# KiCad board cyberdeck-alpha.kicad_pcb (continued)
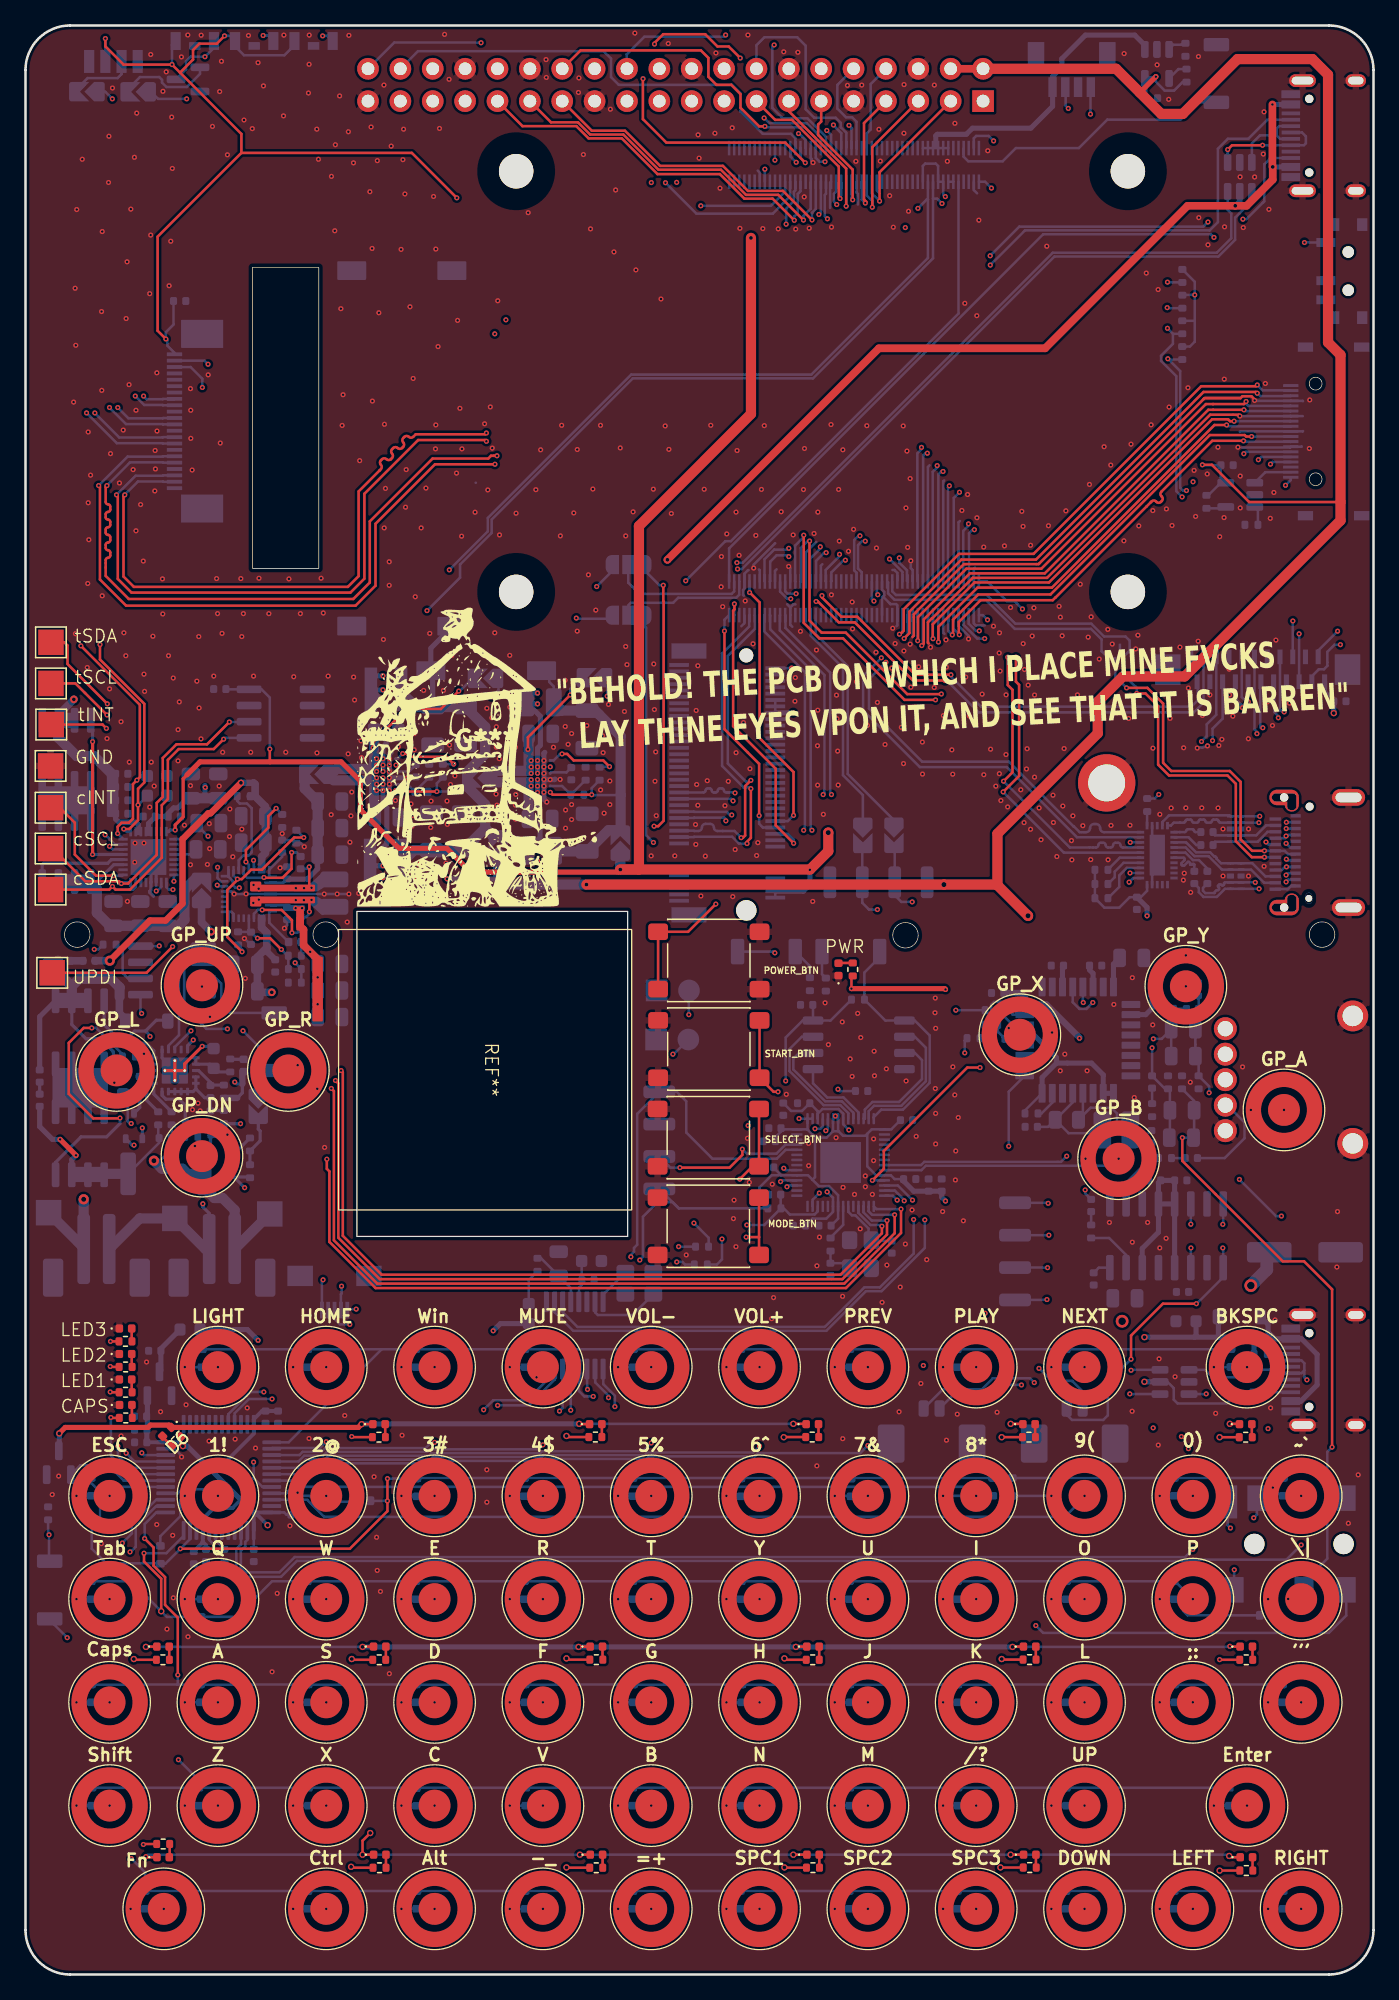
[diagram p0: board, top side]
## Footprints (pads in the part's own frame, mm; a bottom-side part is the same pattern mirrored in y, then rotated) (continued)
BGA24N50P4X6_310X210X62N
  round 0.245 smd: A1(-0.75,1.25) A2(-0.25,1.25) A3(0.25,1.25) A4(0.75,1.25) B1(-0.75,0.75) B2(-0.25,0.75) B3(0.25,0.75) B4(0.75,0.75) C1(-0.75,0.25) C2(-0.25,0.25) C3(0.25,0.25) C4(0.75,0.25) D1(-0.75,-0.25) D2(-0.25,-0.25) D3(0.25,-0.25) D4(0.75,-0.25) E1(-0.75,-0.75) E2(-0.25,-0.75) E3(0.25,-0.75) E4(0.75,-0.75) F1(-0.75,-1.25) F2(-0.25,-1.25) F3(0.25,-1.25) F4(0.75,-1.25)
BQ25792RQMR
  custom 0.96x0.71 smd: 1(-1.9,1.6) 24(1.863,1.6)
  rrect 0.6x0.2 smd: 2(-1.9,1.2) 3(-1.9,0.8) 4(-1.9,0.4) 5(-1.9,0) 6(-1.9,-0.4) 7(-1.9,-0.8) 8(-1.9,-1.2) 20(1.9,0) 21(1.9,0.4) 22(1.9,0.8) 23(1.9,1.2)
  custom 0.91x0.71 smd: 9(-1.4,-1.85) 16(1.85,-1.6)
  rrect 0.2x0.6 smd: 10(-1,-1.9) 11(-0.6,-1.9) 12(-0.2,-1.9) 13(0.2,-1.9) 14(0.6,-1.9) 15(1,-1.9)
  rrect 0.7x0.2 smd: 17(1.85,-1.2)
  rrect 0.65x0.2 smd: 18(1.875,-0.8)
  rrect 0.68x0.2 smd: 19(1.863,-0.4)
  rrect 0.2x1 smd: 25(0.9,1.7) 26(0.45,1.7) 27(0,1.7) 28(-0.45,1.7)
  rrect 0.2x0.95 smd: 29(-0.9,1.725)
BTN_SMD_4x3mm
  rrect 1.05x2 smd: 1(2.225,0) 2(-2.3,0)
C_0402_1005Metric
  rrect 0.56x0.62 smd: 1(-0.48,0) 2(0.48,0)
C_0603_1608Metric
  rrect 0.9x0.95 smd: 1(-0.775,0) 2(0.775,0)
C_0805_2012Metric
  rrect 1x1.45 smd: 1(-0.95,0) 2(0.95,0)
C_1206_3216Metric
  rrect 1.15x1.8 smd: 1(-1.475,0) 2(1.475,0)
CM5-Mounting-Hole
  round 2.7 hole 2.7 unplated: (0,0) (0,48) (33,0) (33,48)
CONN4_BM04B-SRSS_JST
  rect 0.66x1.549 smd: 1(-1.5,-1.882) 2(-0.5,-1.882) 3(0.5,-1.882) 4(1.5,-1.882)
  rect 1.295x1.905 smd: 2(-2.8,0.698) 2(2.8,0.698)
CP_Elec_6.3x5.4
  rrect 3.5x1.6 smd: 1(-2.8,0) 2(2.8,0)
Crystal_SMD_3225-4Pin_3.2x2.5mm
  rrect 1.4x1.2 smd: 1(-1.1,-0.85) 2(1.1,-0.85) 3(1.1,0.85) 4(-1.1,0.85)
D_0402_1005Metric
  rrect 0.59x0.64 smd: 1(-0.485,0) 2(0.485,0)
D_SOD-123
  rrect 0.9x1.2 smd: 1(-1.65,0) 2(1.65,0)
D_SOD-323
  rrect 0.6x0.45 smd: 1(-1.05,0) 2(1.05,0)
D_SOD-523
  rrect 0.6x0.7 smd: 1(-0.7,0) 2(0.7,0)
dome-tactile-pad
  round 2.5 smd: 1(0,0)
  custom 6x6 smd: 2(-2.6,0)
DX07S024JJ2R1300
  round 0.65 hole 0.65 unplated: (-4.32,2) (4.32,2)
  round 0.63 hole 0.63 unplated: (-3.6,0)
  round 0.53 hole 0.53 unplated: (3.6,0.065)
  rect 0.27x0.9 smd: A1(-2.625,2.7) A2(-2.125,2.7) A3(-1.625,2.7) A4(-1.125,2.7) A5(-0.625,2.7) A6(-0.125,2.7) A7(0.375,2.7) A8(0.875,2.7) A9(1.375,2.7) A10(1.875,2.7) A11(2.375,2.7) A12(2.875,2.7)
  rect 0.27x0.8 smd: B1(2.625,1.1) B2(2.125,1.1) B3(1.625,1.1) B4(1.125,1.1) B5(0.625,1.1) B6(0.125,1.1) B7(-0.375,1.1) B8(-0.875,1.1) B9(-1.375,1.1) B10(-1.875,1.1) B11(-2.375,1.1) B12(-2.875,1.1)
  oval 1.3x2.6 hole 0.75x2.05: S1(-4.32,-3.05) S2(4.32,-3.05)
  custom 1.71x2.31 smd: S3(-4.35,3.05) S4(4.3,3.05)
FPC-SMD_22P-P1.00_AFC11-S22ICC-00 - REVERSED
  rect 0.4x1.15 smd: 1(5.25,0.975) 2(4.75,-0.975) 3(4.25,0.975) 4(3.75,-0.975) 5(3.25,0.975) 6(2.75,-0.975) 7(2.25,0.975) 8(1.75,-0.975) 9(1.25,0.975) 10(0.75,-0.975) 11(0.25,0.975) 12(-0.25,-0.975) 13(-0.75,0.975) 14(-1.25,-0.975) 15(-1.75,0.975) 16(-2.25,-0.975) 17(-2.75,0.975) 18(-3.25,-0.975) 19(-3.75,0.975) 20(-4.25,-0.975) 21(-4.75,0.975) 22(-5.25,-0.975)
  rect 2x2.4 smd: MP(-7.05,0.029) MP(7.05,0.021)
Fuse_0603_1608Metric
  rrect 0.875x0.95 smd: 1(-0.787,0) 2(0.787,0)
HD3SS3220
  rrect 0.58x0.22 smd: 1(-1.315,1.8) 2(-1.315,1.4) 3(-1.315,1) 4(-1.315,0.6) 5(-1.315,0.2) 6(-1.315,-0.2) 7(-1.315,-0.6) 8(-1.315,-1) 9(-1.315,-1.4) 10(-1.315,-1.8) 16(1.315,-1.8) 17(1.315,-1.4) 18(1.315,-1) 19(1.315,-0.6) 20(1.315,-0.2) 21(1.315,0.2) 22(1.315,0.6) 23(1.315,1) 24(1.315,1.4) 25(1.315,1.8)
  rrect 0.22x0.58 smd: 11(-0.8,-2.315) 12(-0.4,-2.315) 13(0,-2.315) 14(0.4,-2.315) 15(0.8,-2.315) 26(0.8,2.315) 27(0.4,2.315) 28(0,2.315) 29(-0.4,2.315) 30(-0.8,2.315)
  rect 1.2x3.2 smd: 31(0,0)
HDMI-519S
  rect 0.23x1.2 smd: 1(-3.6,0) 2(-3.2,0) 3(-2.8,0) 4(-2.4,0) 5(-2,0) 6(-1.6,0) 7(-1.2,0) 8(-0.8,0) 9(-0.4,0) 10(0,0) 11(0.4,0) 12(0.8,0) 13(1.2,0) 14(1.6,0) 15(2,0) 16(2.4,0) 17(2.8,0) 18(3.2,0) 19(3.6,0)
  rect 0.73x1.2 smd: MP(-6.61,-5.56) MP(-6.61,-1.15) MP(6.61,-5.56) MP(6.61,-1.15)
IC_BQ76905RGRR
  rrect 0.6x0.24 smd: 1(-1.65,1) 2(-1.65,0.5) 3(-1.65,0) 4(-1.65,-0.5) 5(-1.65,-1) 11(1.65,-1) 12(1.65,-0.5) 13(1.65,0) 14(1.65,0.5) 15(1.65,1)
  rrect 0.24x0.6 smd: 6(-1,-1.65) 7(-0.5,-1.65) 8(0,-1.65) 9(0.5,-1.65) 10(1,-1.65) 16(1,1.65) 17(0.5,1.65) 18(0,1.65) 19(-0.5,1.65) 20(-1,1.65)
  round 0.3 hole 0.2: 21(-0.775,0) 21(0,-0.775) 21(0,0) 21(0,0.775) 21(0.775,0)
  rrect 2.05x2.05 smd: 21(0,0)
IND_XFL4020-102MEC
  rect 0.98x3.4 smd: 1(-1.185,0) 2(1.185,0)
JST_PH_B2B-PH-SM4-TB_1x02-1MP_P2.00mm_Vertical
  rrect 1x5.5 smd: 1(-1,-0.5) 2(1,-0.5)
  rrect 1.6x3 smd: MP(-3.4,1.75) MP(3.4,1.75)
L_1008_2520Metric
  rrect 1.25x2.2 smd: 1(-1.075,0) 2(1.075,0)
LED-SMD_3P-L3.0-W1.0-R-RD
  rect 0.8x1.4 smd: 1(1.5,0.189) 2(-1.5,0.192)
  rect 0.9x0.6 smd: 3(0,-0.192)
LED_0402_1005Metric
  rrect 0.59x0.64 smd: 1(-0.485,0) 2(0.485,0)
LQFP-48_7x7mm_P0.5mm
  rrect 1.475x0.3 smd: 1(-4.162,2.75) 2(-4.162,2.25) 3(-4.162,1.75) 4(-4.162,1.25) 5(-4.162,0.75) 6(-4.162,0.25) 7(-4.162,-0.25) 8(-4.162,-0.75) 9(-4.162,-1.25) 10(-4.162,-1.75) 11(-4.162,-2.25) 12(-4.162,-2.75) 25(4.162,-2.75) 26(4.162,-2.25) 27(4.162,-1.75) 28(4.162,-1.25) 29(4.162,-0.75) 30(4.162,-0.25) 31(4.162,0.25) 32(4.162,0.75) 33(4.162,1.25) 34(4.162,1.75) 35(4.162,2.25) 36(4.162,2.75)
  rrect 0.3x1.475 smd: 13(-2.75,-4.162) 14(-2.25,-4.162) 15(-1.75,-4.162) 16(-1.25,-4.162) 17(-0.75,-4.162) 18(-0.25,-4.162) 19(0.25,-4.162) 20(0.75,-4.162) 21(1.25,-4.162) 22(1.75,-4.162) 23(2.25,-4.162) 24(2.75,-4.162) 37(2.75,4.162) 38(2.25,4.162) 39(1.75,4.162) 40(1.25,4.162) 41(0.75,4.162) 42(0.25,4.162) 43(-0.25,4.162) 44(-0.75,4.162) 45(-1.25,4.162) 46(-1.75,4.162) 47(-2.25,4.162) 48(-2.75,4.162)
M.2 M2 nut standoff
  round 4.5 hole 2.9: 1(0,0)
Molex_PicoBlade_53398-0271_1x02-1MP_P1.25mm_Vertical
  rrect 0.8x1.3 smd: 1(-0.625,1.25) 2(0.625,1.25)
  rrect 2.1x3 smd: MP(-3.175,-1.5) MP(3.175,-1.5)
NetTie-2_SMD_Pad0.5mm
  round 0.5 smd: 1(-0.5,0) 2(0.5,0)
PinHeader_2x20_P2.54mm_Horizontal
  rect 1.7x1.7 hole 1: 1(0,0)
  round 1.7 hole 1: 2(2.54,0) 3(0,-2.54) 4(2.54,-2.54) 5(0,-5.08) 6(2.54,-5.08) 7(0,-7.62) 8(2.54,-7.62) 9(0,-10.16) 10(2.54,-10.16) 11(0,-12.7) 12(2.54,-12.7) 13(0,-15.24) 14(2.54,-15.24) 15(0,-17.78) 16(2.54,-17.78) 17(0,-20.32) 18(2.54,-20.32) 19(0,-22.86) 20(2.54,-22.86) 21(0,-25.4) 22(2.54,-25.4) 23(0,-27.94) 24(2.54,-27.94) 25(0,-30.48) 26(2.54,-30.48) 27(0,-33.02) 28(2.54,-33.02) 29(0,-35.56) 30(2.54,-35.56) 31(0,-38.1) 32(2.54,-38.1) 33(0,-40.64) 34(2.54,-40.64) 35(0,-43.18) 36(2.54,-43.18) 37(0,-45.72) 38(2.54,-45.72) 39(0,-48.26) 40(2.54,-48.26)
PJ-342B
  round 1.6 hole 1.6 unplated: (-4.445,0) (2.555,0)
  rect 1.5x2 smd: 2(-4.645,3.6) 3(2.355,3.6) 5(4.145,-3.6) 6(-1.355,-3.6) 7(-4.655,-3.6)
  rect 1.5x2.6 smd: 4(4.655,3.3)
QFN-56-1EP_7x7mm_P0.4mm_EP3.2x3.2mm
  rrect 1.29x1.29 smd: (-0.8,-0.8) (-0.8,0.8) (0.8,-0.8) (0.8,0.8)
  rrect 0.875x0.2 smd: 1(-3.438,2.6) 2(-3.438,2.2) 3(-3.438,1.8) 4(-3.438,1.4) 5(-3.438,1) 6(-3.438,0.6) 7(-3.438,0.2) 8(-3.438,-0.2) 9(-3.438,-0.6) 10(-3.438,-1) 11(-3.438,-1.4) 12(-3.438,-1.8) 13(-3.438,-2.2) 14(-3.438,-2.6) 29(3.438,-2.6) 30(3.438,-2.2) 31(3.438,-1.8) 32(3.438,-1.4) 33(3.438,-1) 34(3.438,-0.6) 35(3.438,-0.2) 36(3.438,0.2) 37(3.438,0.6) 38(3.438,1) 39(3.438,1.4) 40(3.438,1.8) 41(3.438,2.2) 42(3.438,2.6)
  rrect 0.2x0.875 smd: 15(-2.6,-3.438) 16(-2.2,-3.438) 17(-1.8,-3.438) 18(-1.4,-3.438) 19(-1,-3.438) 20(-0.6,-3.438) 21(-0.2,-3.438) 22(0.2,-3.438) 23(0.6,-3.438) 24(1,-3.438) 25(1.4,-3.438) 26(1.8,-3.438) 27(2.2,-3.438) 28(2.6,-3.438) 43(2.6,3.438) 44(2.2,3.438) 45(1.8,3.438) 46(1.4,3.438) 47(1,3.438) 48(0.6,3.438) 49(0.2,3.438) 50(-0.2,3.438) 51(-0.6,3.438) 52(-1,3.438) 53(-1.4,3.438) 54(-1.8,3.438) 55(-2.2,3.438) 56(-2.6,3.438)
  rect 3.2x3.2 smd: 57(0,0)
QFP80P900X900X120-32N
  rrect 1.47x0.55 smd: 1(-4.17,2.8) 2(-4.17,2) 3(-4.17,1.2) 4(-4.17,0.4) 5(-4.17,-0.4) 6(-4.17,-1.2) 7(-4.17,-2) 8(-4.17,-2.8) 17(4.17,-2.8) 18(4.17,-2) 19(4.17,-1.2) 20(4.17,-0.4) 21(4.17,0.4) 22(4.17,1.2) 23(4.17,2) 24(4.17,2.8)
  rrect 0.55x1.47 smd: 9(-2.8,-4.17) 10(-2,-4.17) 11(-1.2,-4.17) 12(-0.4,-4.17) 13(0.4,-4.17) 14(1.2,-4.17) 15(2,-4.17) 16(2.8,-4.17) 25(2.8,4.17) 26(2,4.17) 27(1.2,4.17) 28(0.4,4.17) 29(-0.4,4.17) 30(-1.2,4.17) 31(-2,4.17) 32(-2.8,4.17)
QSOP-16_3.9x4.9mm_P0.635mm
  rrect 1.625x0.4 smd: 1(-2.638,2.223) 2(-2.638,1.587) 3(-2.638,0.953) 4(-2.638,0.318) 5(-2.638,-0.318) 6(-2.638,-0.953) 7(-2.638,-1.587) 8(-2.638,-2.223) 9(2.638,-2.223) 10(2.638,-1.587) 11(2.638,-0.953) 12(2.638,-0.318) 13(2.638,0.318) 14(2.638,0.953) 15(2.638,1.587) 16(2.638,2.223)
R_0402_1005Metric
  rrect 0.54x0.64 smd: 1(-0.51,0) 2(0.51,0)
R_0805_2012Metric
  rrect 1.025x1.4 smd: 1(-0.912,0) 2(0.912,0)
R_2512_6332Metric
  rrect 1.225x3.35 smd: 1(-2.962,0) 2(2.962,0)
RK10J12E0A0A volume thumbwheel
  round 1.8 hole 1.2: 1(0,0) 2(2,0) 3(4,0) 4(6,0) 5(8,0)
  round 2.419 hole 1.613: GND(-1,10) GND(9,10)
SENSOR-SMD_TSOP77438TR
  rect 0.8x1.8 smd: 1(-1.905,0) 2(-0.635,0) 3(0.635,0) 4(1.905,0)
SMDHeader_1x02_P2.54mm
  rect 1.7x1.7 smd: 1(0,0)
  round 1.7 smd: 2(0,-2.54)
SOIC-8_3.9x4.9mm_P1.27mm
  rrect 1.95x0.6 smd: 1(-2.475,1.905) 2(-2.475,0.635) 3(-2.475,-0.635) 4(-2.475,-1.905) 5(2.475,-1.905) 6(2.475,-0.635) 7(2.475,0.635) 8(2.475,1.905)
SOIC-8_5.3x5.3mm_P1.27mm
  rrect 1.625x0.65 smd: 1(-3.587,1.905) 2(-3.587,0.635) 3(-3.587,-0.635) 4(-3.587,-1.905) 5(3.587,-1.905) 6(3.587,-0.635) 7(3.587,0.635) 8(3.587,1.905)
SolderJumper-3_P1.3mm_Open_RoundedPad1.0x1.5mm
  custom 1.05x1.5 smd: 1(-1.3,0) 3(1.3,0)
  rect 1x1.5 smd: 2(0,0)
SOLDERJUMPER_ARROW_NOPASTE
  custom 1.598x1.524 smd: 1(-1.016,0)
  custom 1.584x1.524 smd: 2(1.016,0)
SOP-16_3.9x9.9mm_P1.27mm
  rrect 2x0.6 smd: 1(-2.5,4.445) 2(-2.5,3.175) 3(-2.5,1.905) 4(-2.5,0.635) 5(-2.5,-0.635) 6(-2.5,-1.905) 7(-2.5,-3.175) 8(-2.5,-4.445) 9(2.5,-4.445) 10(2.5,-3.175) 11(2.5,-1.905) 12(2.5,-0.635) 13(2.5,0.635) 14(2.5,1.905) 15(2.5,3.175) 16(2.5,4.445)
SOT-23
  rrect 1.475x0.6 smd: 1(-0.938,0.95) 2(-0.938,-0.95) 3(0.938,0)
SOT-23-5
  rrect 1.325x0.6 smd: 1(-1.137,0.95) 2(-1.137,0) 3(-1.137,-0.95) 4(1.137,-0.95) 5(1.137,0.95)
SOT-23-6
  rrect 1.325x0.6 smd: 1(-1.137,0.95) 2(-1.137,0) 3(-1.137,-0.95) 4(1.137,-0.95) 5(1.137,0) 6(1.137,0.95)
SOT-323_SC-70
  rrect 0.7x0.45 smd: 1(-1,0.65) 2(-1,-0.65) 3(1,0)
SW_SSSS811101
  round 0.9 hole 0.9 unplated: (-1.5,0) (1.5,0)
  rect 0.7x1.5 smd: 1(-2.25,1.75) 2(0.75,1.75) 3(2.25,1.75)
  rect 1x0.8 smd: MP(-3.65,-1.1) MP(-3.65,1.1) MP(3.65,-1.1) MP(3.65,1.1)
TestPoint_Pad_2.0x2.0mm
  rect 2x2 smd: 1(0,0)
TPD2EUSB30DRTR
  rrect 0.46x0.2 smd: 1(-0.52,0.35) 2(-0.52,-0.35) 3(0.52,0)
TPD4EUSB30DQAR
  rrect 0.565x0.2 smd: 1(-0.417,1) 2(-0.417,0.5) 4(-0.417,-0.5) 5(-0.417,-1) 6(0.417,-1) 7(0.417,-0.5) 9(0.417,0.5) 10(0.417,1)
  rrect 0.565x0.4 smd: 3(-0.417,0) 8(0.417,0)
TPS25751SRSMR
  rrect 0.74x0.22 smd: 1(-1.995,1.4) 2(-1.995,1) 3(-1.995,0.6) 4(-1.995,0.2) 5(-1.995,-0.2) 6(-1.995,-0.6) 7(-1.995,-1) 8(-1.995,-1.4) 17(1.995,-1.4) 18(1.995,-1) 19(1.995,-0.6) 20(1.995,-0.2) 21(1.995,0.2) 22(1.995,0.6) 23(1.995,1) 24(1.995,1.4)
  rrect 0.22x0.74 smd: 9(-1.4,-1.995) 10(-1,-1.995) 11(-0.6,-1.995) 12(-0.2,-1.995) 13(0.2,-1.995) 14(0.6,-1.995) 15(1,-1.995) 16(1.4,-1.995) 25(1.4,1.995) 26(1,1.995) 27(0.6,1.995) 28(0.2,1.995) 29(-0.2,1.995) 30(-0.6,1.995) 31(-1,1.995) 32(-1.4,1.995)
  rect 2.8x2.8 smd: 33(0,0)
USB_C_Receptacle_HRO_TYPE-C-31-M-12
  round 0.65 hole 0.65 unplated: (-2.89,2.6) (2.89,2.6)
  rect 0.6x1.45 smd: A1(-3.25,4.045) A4(-2.45,4.045) A9(2.45,4.045) A12(3.25,4.045) B1(3.25,4.045) B4(2.45,4.045) B9(-2.45,4.045) B12(-3.25,4.045)
  rect 0.3x1.45 smd: A5(-1.25,4.045) A6(-0.25,4.045) A7(0.25,4.045) A8(1.25,4.045) B5(1.75,4.045) B6(0.75,4.045) B7(-0.75,4.045) B8(-1.75,4.045)
  oval 1x1.6 hole 0.6x1.2: S1(-4.32,-1.05) S1(4.32,-1.05)
  oval 1x2.1 hole 0.6x1.7: S1(-4.32,3.13) S1(4.32,3.13)
ZX-QC66-7.5TP
  rrect 1.55x1.3 smd: 1(-3.98,2.25) 1(-3.98,-2.25) 2(3.98,2.25) 2(3.98,-2.25)

## Nets
+3.3V: C3.1 C4.2 C5.2 C6.2 C7.2 C8.2 C9.2 C10.2 C11.2 K_83.1 R2.2 R3.2 R4.2 R5.2 R6.2 R7.2 R8.2 R9.2 R10.2 R11.2 R12.2 R13.2 R14.2 R15.2 R16.2 R17.2 R18.2 R19.2 U2.1 U2.9 U2.24 U2.36 U2.48 U3.2
+3.3V_MAIN: C12.2 C22.2 C23.2 C24.2 C25.2 C27.2 C29.2 C30.2 C31.2 C35.1 C79.1 C83.1 C123.1 D27.1 D28.1 D29.1 J4.1 J7.5 J11.1 J15.1 J15.17 J16.2 J16.4 J16.12 J16.14 J16.16 J16.18 J16.70 J16.72 J16.74 J19.2 J20.1 R24.1 R26.1 R31.2 R67.1 SJ13.1 U1.8 U5.1 U5.10 U5.22 U5.33 U5.42 U5.43 U5.44 U5.48 U5.49 U18.32 U19.8 U22.8
+5V_CM5: J1.4 Module2.77 Module2.79 Module2.81 Module2.83 Module2.85 Module2.87 U15.1
+5V_HDMI: J12.18 U12.1
+5V_HUB: F3.2 R42.2
+5V_KB: C2.1 F1.2 U3.3
+5V_MAIN: C17.1 C36.1 C37.1 C38.1 C39.1 C52.2 C53.2 C66.2 C67.2 C119.1 C120.1 C121.1 C122.1 F1.1 F3.1 F4.1 J5.4 J15.2 J15.4 J21.A4 J21.A9 J21.B4 J21.B9 R56.2 R61.2 R68.1 R69.1 R70.1 SJ12.1 U8.4 U8.6 U8.12 U8.13 U9.24 U12.5 U15.5 U18.28 U18.29 U19.30
+5V_PORT: D_69.2 F4.2 R40.2 R41.2 U6.5
+VBATT: C95.1 C96.2 NT6.2 R71.2 U4.22 U4.23
+VBUS: C106.1 C112.1 C113.1 C114.1 J13.A4 J13.A9 J13.B4 J13.B9 Q8.1 Q8.2 Q8.3 U14.5 U18.26 U18.27
/3V3_IN: C61.2 C62.2 SJ8.2 SJ10.1 U11.A1 U11.B1 U11.C1 U11.D1 U11.E1 U11.F1
/3V3_MAIN: C64.2 C65.2 L3.2 L4.2 R51.2 R52.2 SJ13.2 U11.A4
/3V3_SHIP_MODE_OFF: C104.1 SJ14.1 U18.1
/5V_IN: C54.2 C55.2 SJ9.2 SJ11.1 U10.A1 U10.B1 U10.C1 U10.D1 U10.E1 U10.F1
/5V_MAIN: C56.2 C57.2 C58.2 C59.2 L1.2 L2.2 R48.2 R49.2 SJ10.2 SJ12.2 U10.A4
/GND_OUT: C90.1 C91.2 D31.2 NT7.2 Q6.1 Q6.2 Q6.3 R87.1
GND: C1.2 C2.2 C3.2 C4.1 C5.1 C6.1 C7.1 C8.1 C9.1 C10.1 C11.1 C12.1 C13.1 C14.1 C15.1 C16.1 C17.2 C21.1 C22.1 C23.1 C24.1 C25.1 C26.2 C27.1 C28.2 C29.1 C30.1 C31.1 C32.1 C33.1 C34.2 C35.2 C36.2 C37.2 C38.2 C39.2 C46.1 C47.2 C48.2 C49.2 C50.1 C51.2 C52.1 C53.1 C54.1 C55.1 C56.1 C57.1 C58.1 C59.1 C60.1 C61.1 C62.1 C63.1 C64.1 C65.1 C66.1 C67.1 C76.1 C79.2 C83.2 C94.2 C95.2 C96.1 C97.2 C98.1 C99.1 C100.2 C101.2 C102.2 C103.1 C104.2 C105.2 C106.2 C107.2 C108.1 C109.1 C110.1 C111.2 C112.2 C113.2 C114.2 C115.2 C116.2 C117.1 C118.1 C119.2 C120.2 C121.2 C122.2 C123.2 D1.1 D2.1 D3.1 D4.1 D23.1 D27.3 D28.3 D29.3 D34.3 H2.1 J1.2 J2.1 J3.1 J4.3 J5.1 J6.A1 J6.A12 J6.B1 J6.B12 J6.S1 J7.2 J8.2 J11.4 J11.7 J11.10 J11.13 J11.16 J11.19 J11.22 J12.1 J12.4 J12.7 J12.10 J12.13 J12.MP J13.A1 J13.A12 J13.B1 J13.B12 J13.S1 J15.6 J15.9 J15.14 J15.20 J15.25 J15.30 J15.34 J15.39 J16.1 J16.3 J16.9 J16.15 J16.21 J16.27 J16.33 J16.39 J16.45 J16.51 J16.57 J16.71 J16.73 J16.75 J16.SH1 J19.1 J19.4 J20.4 J20.7 J20.10 J20.13 J20.16 J20.19 J20.22 J21.A1 J21.A12 J21.B1 J21.B12 J21.S1 J21.S2 J21.S3 J21.S4 K_69.2 K_70.2 K_71.2 K_72.2 K_73.1 K_74.1 K_75.2 K_76.2 K_77.2 K_78.2 K_79.2 K_80.1 K_84.2 K_85.2 Module2.1 Module2.2 Module2.7 Module2.8 Module2.13 Module2.14 Module2.22 Module2.23 Module2.32 Module2.33 Module2.42 Module2.43 Module2.52 Module2.53 Module2.59 Module2.60 Module2.65 Module2.66 Module2.71 Module2.74 Module2.98 Module3.107 Module3.108 Module3.113 Module3.114 Module3.119 Module3.120 Module3.125 Module3.126 Module3.131 Module3.132 Module3.137 Module3.138 Module3.144 Module3.150 Module3.155 Module3.156 Module3.161 Module3.162 Module3.167 Module3.168 Module3.173 Module3.174 Module3.179 Module3.180 Module3.185 Module3.186 Module3.191 Module3.192 Module3.197 Module3.198 NT7.1 Q1.2 Q5.2 R1.1 R25.2 R30.2 R34.1 R35.1 R36.1 R37.1 R38.1 R39.1 R50.1 R53.1 R62.1 R63.1 R72.1 R74.1 R96.2 RV1.1 RV1.GND S1.2 TP3.1 U1.4 U2.8 U2.23 U2.35 U2.47 U3.1 U4.10 U4.11 U4.13 U4.27 U5.19 U5.57 U6.2 U7.14 U8.2 U8.9 U8.11 U8.15 U9.1 U9.3 U9.20 U9.25 U9.26 U9.31 U10.A3 U10.B3 U10.C3 U10.C4 U10.D3 U10.E3 U10.F3 U11.A3 U11.B3 U11.C3 U11.C4 U11.D3 U11.E3 U11.F3 U12.2 U14.2 U15.2 U17.8 U18.11 U18.12 U18.14 U18.33 U19.12 U19.13 U19.28 U19.29 U19.31 U20.3 U20.8 U21.3 U21.8 U22.1 U22.2 U22.3 U22.4 U22.7 X1.2 X1.4 X2.2 X2.4 X3.2 X3.4
+VCHG: C101.1 C102.1 C103.2 SJ15.1 U4.2 U4.3
+VSYS: C107.1 C108.2 C109.2 C110.2 SJ11.2 U4.25
/+VCHG_OUT: C111.1 C115.1 C116.1 Q3.1 Q3.2 Q3.3 SJ15.2 U18.19
/A0: U2.10
/A8: U2.29
/A9: U2.30
/A10: U2.31
/A13: U2.34
/B12: U2.25
/B13: U2.26
/B14: U2.27
/B15: U2.28
/BOOT0: K_83.2 R1.2 U2.44
/BQ_3V3: Q2.1 U16.15 U17.1
/BQ_BATT+: C85.2 R89.1 U16.18
/BQ_BATT-: C87.2 R91.1 U16.5
/BQ_CELL1: C85.1 C86.2 R90.1 U16.1 U16.2 U16.3 U16.4 U16.19 U16.20
/BQ_CHG: R86.2 U16.10
/BQ_DSG: R85.2 U16.9
/BQ_REGSRC: C84.2 R88.1 U16.16 U16.17
/BQ_SCL: U16.12 U17.5
/BQ_SDA: U16.13 U17.4
/BQ_TS: D32.1 U16.8
/C15: U2.4
/CAM_GPIO0: J20.6 Module2.97
/CAM_GPIO1: J20.5 Module2.100
/CELL1: BT1.2 BT2.1 R90.2 TP2.1
/CELL+: BT1.1 C92.1 NT1.2 NT2.1 NT6.1 TP1.1
/CELL-: BT2.2 C84.1 C88.2 D33.2 NT3.1 R92.1 R94.2 R95.2 TP5.1 U16.11 U16.21
/CHG_INT: TP12.1 U4.21 U18.17
/CHG_SCL: TP10.1 U4.14 U18.16 U22.6
/CHG_SDA: TP11.1 U4.15 U18.15 U22.5
/CM5_1V8: Module2.88 Module2.90
/CM5_3V3: Module2.78 Module2.84 Module2.86 R54.1 R55.1 R83.1 R84.1
/CM5_CC1: Module2.94
/CM5_CC2: Module2.96
/CM5_MMC_BOOT: K_84.1 Module2.93
/CM5_PWR_BTN: K_79.1 Module2.92 R66.1
/CM5_USB_D_N: JP2.2 Module3.103
/CM5_USB_D_P: JP1.2 Module3.105
/CM5_USB_OTG_ID: Module3.101 S1.1
/col0: K_1.1 K_2.1 K_3.1 K_4.1 K_5.1 U2.17
/col1: K_6.1 K_7.1 K_8.1 K_9.1 K_10.1 K_11.1 U2.16
/col2: K_12.1 K_13.1 K_14.1 K_15.1 K_16.1 K_17.1 U2.38
/col3: K_18.1 K_19.1 K_20.1 K_21.1 K_22.1 U2.39
/col4: K_23.1 K_24.1 K_25.1 K_26.1 K_27.1 K_28.1 U2.40
/col5: K_29.1 K_30.1 K_31.1 K_32.1 K_33.1 K_34.1 U2.41
/col6: K_35.1 K_36.1 K_37.1 K_38.1 K_39.1 K_40.1 U2.42
/col7: K_41.1 K_42.1 K_43.1 K_44.1 K_45.1 K_46.1 U2.43
/col8: K_47.1 K_48.1 K_49.1 K_50.1 K_51.1 K_52.1 U2.45
/col9: K_53.1 K_54.1 K_55.1 K_56.1 K_57.1 K_58.1 U2.46
/col10: K_59.1 K_60.1 K_61.1 K_62.1 U2.2
/col11: K_63.1 K_64.1 K_65.1 K_66.1 K_67.1 K_68.1 U2.3
/CS: K_82.2 R26.2 U1.1 U5.56
/DAC_3V3_VDD: C51.1 R45.1 R46.1 U9.9 U9.10 U9.16 U9.21
/DAC_USB_D+: R43.1 U7.4
/DAC_USB_D-: R44.1 U7.3
/DIGITAL_AUDIO_OUT: J8.7 U9.17
/DISP_INT: U5.30
/DISP_RST: U5.29
/DISP_SCL: U5.7
/DISP_SDA: U5.6
/DSCH_PATH: C88.1 C89.2 Q7.1 Q7.2 Q7.3 R93.2 R94.1
/F0: U2.5
/F1: U2.6
/FAN_PWM: J1.3 Module2.19
/FAN_TACHO: J1.1 Module2.16
/GATE_VBUS: Q8.4 U18.21
/GATE_VCHG: Q3.4 U18.20
/GP_BTN_A: K_69.1 U5.8
/GP_BTN_B: K_70.1 U5.9
/GP_BTN_DN: K_76.1 U5.15
/GP_BTN_L: K_77.1 U5.16
/GP_BTN_LB: J2.2 U5.34
/GP_BTN_MODE: K_80.2 U5.27
/GP_BTN_R: K_78.1 U5.18
/GP_BTN_RB: J3.2 U5.32
/GP_BTN_SEL: K_74.2 U5.14
/GP_BTN_STA: K_73.2 U5.13
/GP_BTN_UP: K_75.1 U5.17
/GP_BTN_X: K_71.1 U5.11
/GP_BTN_Y: K_72.1 U5.12
/GPIO_2: J15.3 Module2.58
/GPIO_3: J15.5 Module2.56
/GPIO_4: J15.7 Module2.54
/GPIO_5: J15.29 Module2.34
/GPIO_6: J15.31 Module2.30
/GPIO_7: J15.26 Module2.37
/GPIO_8: J15.24 Module2.39
/GPIO_9: J15.21 Module2.40
/GPIO_10: J15.19 Module2.44
/GPIO_11: J15.23 Module2.38
/GPIO_12: J15.32 Module2.31
/GPIO_13: J15.33 Module2.28
/GPIO_14: J15.8 Module2.55
/GPIO_15: J15.10 Module2.51
/GPIO_16: J15.36 Module2.29 SJ7.1
/GPIO_17: J15.11 Module2.50
/GPIO_18: J15.12 Module2.49
/GPIO_19: J15.35 Module2.26
/GPIO_20: J15.38 Module2.27
/GPIO_21: J15.40 Module2.25
/GPIO_22: J15.15 Module2.46
/GPIO_23: J15.16 Module2.47
/GPIO_24: J15.18 Module2.45
/GPIO_25: J15.22 Module2.41
/GPIO_26: J15.37 Module2.24 SJ6.1
/GPIO_27: J15.13 Module2.48
/HDMI_CEC: J12.14 Module3.151
/HDMI_HOTPLUG: J12.19 Module3.153
/HDMI_SCL: J12.15 Module3.200
/HDMI_SDA: J12.16 Module3.199
/HDMI_TX0+: J12.8 Module3.182
/HDMI_TX0-: J12.9 Module3.184
/HDMI_TX1+: J12.5 Module3.176
/HDMI_TX1-: J12.6 Module3.178
/HDMI_TX2+: J12.2 Module3.170
/HDMI_TX2-: J12.3 Module3.172
/HDMI_TXC+: J12.11 Module3.188
/HDMI_TXC-: J12.12 Module3.190
/HUB_DS_0_D+: U2.33 U7.8
/HUB_DS_0_D-: U2.32 U7.7
/HUB_DS_1_D+: R27.1 U7.6
/HUB_DS_1_D-: R28.1 U7.5
/HUB_DS_3_D+: U6.6 U7.2
/HUB_DS_3_D-: U6.4 U7.1
/HUB_US_D+: J5.2 JP1.1 SJ1.2 U7.11
/HUB_US_D-: J5.3 JP2.1 SJ2.2 U7.10
/ID_SCL_GPIO_1: J15.28 J20.3 Module2.35 R83.2
/ID_SDA_GPIO_0: J15.27 J20.2 Module2.36 R84.2
/IR_LED_CNTRL: Q5.1 SJ7.2
/IR_PWR: D27.2 D28.2 D29.2 Q5.3
/IR_SENS: J19.3 SJ6.2
/JOYSTICK_BTN: J7.3 U5.31
/JOYSTICK_X: J4.4 J7.4 U5.38
/JOYSTICK_Y: J4.2 J7.1 U5.39
/LED_0: R23.1 U2.19
/LED_1: R22.1 U2.20
/LED_2: R21.1 U2.21
/LED_3: R20.1 U2.22
/LED_CNTRL: Q1.1 U2.18
/LED_PWR: D5.1 D6.1 D7.1 D8.1 D9.1 D10.1 D11.1 D12.1 D13.1 D14.1 D15.1 D16.1 D17.1 D18.1 D19.1 D20.1 D21.1 D22.1 Q1.3
/LEFT_CH_AMP_IN: J8.4 RV1.4
/LEFT_CH_LINE: C41.2 C42.1 C43.1 R37.2 U9.28
/LEFT_CH_PREAMP: C42.2 C43.2 J8.3 R39.2
/M2B_USB3_RX_N: Module3.157 U19.9
/M2B_USB3_RX_P: Module3.159 U19.10
/M2B_USB3_TX_N: Module3.169 U19.7
/M2B_USB3_TX_P: Module3.171 U19.6
/M2B_USBD_N: D34.1 J21.A7 J21.B7 Module3.165
/M2B_USBD_P: D34.2 J21.A6 J21.B6 Module3.163
/MIPI0_CLK_N: J20.15 Module3.127
/MIPI0_CLK_P: J20.14 Module3.129
/MIPI0_D0_N: J20.21 Module3.115
/MIPI0_D0_P: J20.20 Module3.117
/MIPI0_D1_N: J20.18 Module3.121
/MIPI0_D1_P: J20.17 Module3.123
/MIPI0_D2_N: J20.12 Module3.133
/MIPI0_D2_P: J20.11 Module3.135
/MIPI0_D3_N: J20.9 Module3.139
/MIPI0_D3_P: J20.8 Module3.141
/MIPI1_CLK_N: J11.15 Module3.187
/MIPI1_CLK_P: J11.14 Module3.189
/MIPI1_D0_N: J11.21 Module3.175
/MIPI1_D0_P: J11.20 Module3.177
/MIPI1_D1_N: J11.18 Module3.181
/MIPI1_D1_P: J11.17 Module3.183
/MIPI1_D2_N: J11.12 Module3.193
/MIPI1_D2_P: J11.11 Module3.195
/MIPI1_D3_N: J11.9 Module3.194
/MIPI1_D3_P: J11.8 Module3.196
/MIPI1_SCL: J11.3 Module2.80 R55.2
/MIPI1_SDA: J11.2 Module2.82 R54.2
/NRST: C1.1 U2.7
/PCIE-CLK_N: J16.53 Module3.112
/PCIE-CLK_P: J16.55 Module3.110
/PCIE-CLKREQ: J16.52 Module3.102
/PCIE-NRESET: J16.50 Module3.109
/PCIE-NWAKE: J16.54 Module3.104
/PCIE-PWR_EN: Module3.106
/PCIE-RX_N: J16.47 Module3.118
/PCIE-RX_P: J16.49 Module3.116
/PCIE-TX_N: J16.43 Module3.124
/PCIE-TX_P: J16.41 Module3.122
/PD_CC1: C117.2 J13.A5 U18.24
/PD_CC2: C118.2 J13.B5 U18.25
/PMID: C97.1 C98.2 C99.2 C100.1 U4.29
/PWR_OK_3V3: R51.1 U11.F4
/PWR_OK_5V: R48.1 U10.F4
/QSPI_CLK: U1.6 U5.52
/REGN: C76.2 R73.2 R75.1 R97.2 U4.5
/RIGHT_CH_AMP_IN: J8.5 RV1.5
/RIGHT_CH_LINE: C40.2 C44.1 C45.1 R36.2 U9.29
/RIGHT_CH_PREAMP: C44.2 C45.2 J8.6 R38.2
/row0: D_6.1 D_12.1 D_18.1 D_23.1 D_29.1 D_35.1 D_42.1 D_47.1 D_53.1 D_63.1 U2.37
/row1: D_1.1 D_7.1 D_13.1 D_19.1 D_24.1 D_30.1 D_36.1 D_43.1 D_48.1 D_54.1 D_59.1 D_64.1 U2.11
/row2: D_2.1 D_8.1 D_14.1 D_20.1 D_25.1 D_31.1 D_37.1 D_44.1 D_49.1 D_55.1 D_60.1 D_65.1 U2.12
/row3: D_3.1 D_9.1 D_15.1 D_21.1 D_26.1 D_32.1 D_38.1 D_45.1 D_50.1 D_56.1 D_61.1 D_66.1 U2.13
/row4: D_4.1 D_10.1 D_16.1 D_22.1 D_27.1 D_33.1 D_39.1 D_46.1 D_51.1 D_57.1 D_67.1 U2.14
/row5: D_5.1 D_11.1 D_17.1 D_28.1 D_34.1 D_40.1 D_41.1 D_52.1 D_58.1 D_62.1 D_68.1 U2.15
/RP2040_1v1: C15.2 C16.2 C21.2 U5.23 U5.45 U5.50
/RTC_BATT: Module2.76
/SD0: U1.5 U5.53
/SD1: U1.2 U5.55
/SD2: U1.3 U5.54
/SD3: U1.7 U5.51
/SHIP_MODE: K_85.1 U17.7
/SWCLK: U5.24
/SWDIO: U5.25
/TINY202_UPDI: TP4.1 U17.6
/USB2_SYS_N: JP2.3 U14.6 U18.23
/USB2_SYS_P: JP1.3 U14.4 U18.22
/USB3_0_D_N: Module3.136 SJ2.1
/USB3_0_D_P: Module3.134 SJ1.1
/USB3_0_RX_N: Module3.128
/USB3_0_RX_P: Module3.130
/USB3_0_TX_N: Module3.140
/USB3_0_TX_P: Module3.142
/USB31_CC1: J21.A5 U19.2
/USB31_CC2: J21.B5 U19.1
/USB31_RX1_N: J21.B10 U19.15 U20.2 U20.9
/USB31_RX1_P: J21.B11 U19.14 U20.1 U20.10
/USB31_RX2_N: J21.A10 U19.18 U21.1 U21.10
/USB31_RX2_P: J21.A11 U19.19 U21.2 U21.9
/USB31_TX1_N: C72.2 J21.A3 U20.5 U20.6
/USB31_TX1_P: C73.2 J21.A2 U20.4 U20.7
/USB31_TX2_N: C75.2 J21.B3 U21.4 U21.7
/USB31_TX2_P: C74.2 J21.B2 U21.5 U21.6
Net-(C14-Pad2): C14.2 R29.1 X2.1
Net-(C18-Pad1): C18.1 RV1.3
Net-(C18-Pad2): C18.2 R32.1
Net-(C19-Pad1): C19.1 RV1.2
Net-(C19-Pad2): C19.2 R33.1
Net-(C40-Pad1): C40.1 R34.2
Net-(C41-Pad1): C41.1 R35.2
Net-(C86-Pad1): C86.1 C87.1 NT3.2 R91.2
Net-(C89-Pad1): C89.1 C90.2
Net-(C91-Pad1): C91.1 C92.2
Net-(D1-A): D1.2 R20.2
Net-(D2-A): D2.2 R21.2
Net-(D3-A): D3.2 R22.2
Net-(D4-A): D4.2 R23.2
Net-(D5-A): D5.2 R2.1
Net-(D6-A): D6.2 R3.1
Net-(D7-A): D7.2 R4.1
Net-(D8-A): D8.2 R5.1
Net-(D9-A): D9.2 R6.1
Net-(D10-A): D10.2 R7.1
Net-(D11-A): D11.2 R8.1
Net-(D12-A): D12.2 R9.1
Net-(D13-A): D13.2 R10.1
Net-(D14-A): D14.2 R11.1
Net-(D15-A): D15.2 R12.1
Net-(D16-A): D16.2 R13.1
Net-(D17-A): D17.2 R14.1
Net-(D18-A): D18.2 R15.1
Net-(D19-A): D19.2 R16.1
Net-(D20-A): D20.2 R17.1
Net-(D21-A): D21.2 R18.1
Net-(D22-A): D22.2 R19.1
Net-(D23-A): D23.2 R24.2
Net-(D30-A): D30.2 NT1.1
Net-(D30-K): D30.1 R88.2
Net-(D31-K): D31.1 Q6.4 R86.1 R87.2
Net-(D32-A): D32.2 Q2.3
Net-(D33-K): D33.1 Q2.2 R64.2
Net-(D35-A): D35.2 R97.1
Net-(D35-K): D35.1 U4.1
Net-(D_1-A): D_1.2 K_1.2
Net-(D_2-A): D_2.2 K_2.2
Net-(D_3-A): D_3.2 K_3.2
Net-(D_4-A): D_4.2 K_4.2
Net-(D_5-A): D_5.2 K_5.2
Net-(D_6-A): D_6.2 K_6.2
Net-(D_7-A): D_7.2 K_7.2
Net-(D_8-A): D_8.2 K_8.2
Net-(D_9-A): D_9.2 K_9.2
Net-(D_10-A): D_10.2 K_10.2
Net-(D_11-A): D_11.2 K_11.2
Net-(D_12-A): D_12.2 K_12.2
Net-(D_13-A): D_13.2 K_13.2
Net-(D_14-A): D_14.2 K_14.2
Net-(D_15-A): D_15.2 K_15.2
Net-(D_16-A): D_16.2 K_16.2
Net-(D_17-A): D_17.2 K_17.2
Net-(D_18-A): D_18.2 K_18.2
Net-(D_19-A): D_19.2 K_19.2
Net-(D_20-A): D_20.2 K_20.2
Net-(D_21-A): D_21.2 K_21.2
Net-(D_22-A): D_22.2 K_22.2
Net-(D_23-A): D_23.2 K_23.2
Net-(D_24-A): D_24.2 K_24.2
Net-(D_25-A): D_25.2 K_25.2
Net-(D_26-A): D_26.2 K_26.2
Net-(D_27-A): D_27.2 K_27.2
Net-(D_28-A): D_28.2 K_28.2
Net-(D_29-A): D_29.2 K_29.2
Net-(D_30-A): D_30.2 K_30.2
Net-(D_31-A): D_31.2 K_31.2
Net-(D_32-A): D_32.2 K_32.2
Net-(D_33-A): D_33.2 K_33.2
Net-(D_34-A): D_34.2 K_34.2
Net-(D_35-A): D_35.2 K_35.2
Net-(D_36-A): D_36.2 K_36.2
Net-(D_37-A): D_37.2 K_37.2
Net-(D_38-A): D_38.2 K_38.2
Net-(D_39-A): D_39.2 K_39.2
Net-(D_40-A): D_40.2 K_40.2
Net-(D_41-A): D_41.2 K_41.2
Net-(D_42-A): D_42.2 K_42.2
Net-(D_43-A): D_43.2 K_43.2
Net-(D_44-A): D_44.2 K_44.2
Net-(D_45-A): D_45.2 K_45.2
Net-(D_46-A): D_46.2 K_46.2
Net-(D_47-A): D_47.2 K_47.2
Net-(D_48-A): D_48.2 K_48.2
Net-(D_49-A): D_49.2 K_49.2
Net-(D_50-A): D_50.2 K_50.2
Net-(D_51-A): D_51.2 K_51.2
Net-(D_52-A): D_52.2 K_52.2
Net-(D_53-A): D_53.2 K_53.2
Net-(D_54-A): D_54.2 K_54.2
Net-(D_55-A): D_55.2 K_55.2
Net-(D_56-A): D_56.2 K_56.2
Net-(D_57-A): D_57.2 K_57.2
Net-(D_58-A): D_58.2 K_58.2
Net-(D_59-A): D_59.2 K_59.2
Net-(D_60-A): D_60.2 K_60.2
Net-(D_61-A): D_61.2 K_61.2
Net-(D_62-A): D_62.2 K_62.2
Net-(D_63-A): D_63.2 K_63.2
Net-(D_64-A): D_64.2 K_64.2
Net-(D_65-A): D_65.2 K_65.2
Net-(D_66-A): D_66.2 K_66.2
Net-(D_67-A): D_67.2 K_67.2
Net-(D_68-A): D_68.2 K_68.2
Net-(D_69-K): D_69.1 J6.A4 J6.A9 J6.B4 J6.B9
Net-(J6-CC1): J6.A5 R41.1
Net-(J6-CC2): J6.B5 R40.1
Net-(J6-D+-PadA6): J6.A6 J6.B6 U6.1
Net-(J6-D--PadA7): J6.A7 J6.B7 U6.3
Net-(J9-Pin_1): J9.1 LS1.2 U8.1
Net-(J9-Pin_2): J9.2 LS1.1 U8.3
Net-(J9-Pin_3): J9.3 LS2.1 U8.14
Net-(J9-Pin_4): J9.4 LS2.2 U8.16
Net-(J13-D+-PadA6): J13.A6 J13.B6 U14.1
Net-(J13-D--PadA7): J13.A7 J13.B7 U14.3
Net-(K_81-Pad1): K_81.1 R25.1
Net-(K_82-Pad1): K_82.1 R30.1
Net-(L1-Pad1): L1.1 U10.A2 U10.B2 U10.C2
Net-(L2-Pad1): L2.1 U10.D2 U10.E2 U10.F2
Net-(L3-Pad1): L3.1 U11.A2 U11.B2 U11.C2
Net-(L4-Pad1): L4.1 U11.D2 U11.E2 U11.F2
Net-(NT2-Pad2): NT2.2 R89.2
Net-(Q3-D-Pad5): Q3.5 Q3.6 Q3.7 Q3.8 Q8.5 Q8.6 Q8.7 Q8.8
Net-(Q6-D-Pad5): Q6.5 Q6.6 Q6.7 Q6.8 Q7.5 Q7.6 Q7.7 Q7.8
Net-(Q7-G): Q7.4 R85.1
Net-(R64-Pad1): R64.1 R95.1 SJ14.2
Net-(U4-BATP): R71.1 U4.18
Net-(U4-BTST1): C77.1 U4.4
Net-(U4-BTST2): C93.1 U4.19
Net-(U4-ILIM_HIZ): R73.1 R74.2 U4.17
Net-(U4-PROG): R72.2 U4.20
Net-(U4-SDRV): C94.1 U4.24
Net-(U4-SW1): C77.2 L6.1 U4.28
Net-(U4-SW2): C93.2 L6.2 U4.26
Net-(U4-TS): R75.2 R96.1 U4.16
Net-(U4-VAC1): U4.8 U4.9
Net-(U5-RUN): C34.1 K_81.2 R31.1 U5.26
Net-(U5-USB_DM): R28.2 U5.46
Net-(U5-USB_DP): R27.2 U5.47
Net-(U5-XIN): C13.2 U5.20 X2.3
Net-(U5-XOUT): R29.2 U5.21
Net-(U7-V5): C33.2 R42.1 U7.12
Net-(U7-VDD33): C28.1 C32.2 U7.13
Net-(U7-XI): U7.16 X1.3
Net-(U7-XO): U7.15 X1.1
Net-(U8-INL): R32.2 U8.7
Net-(U8-INR): R33.2 U8.10
Net-(U8-VREF): C20.2 U8.8
Net-(U9-D+): R43.2 R45.2 U9.23
Net-(U9-D-): R44.2 U9.22
Net-(U9-DT): R46.2 U9.15
Net-(U9-VCCL): C48.1 U9.27
Net-(U9-VCCP): C26.1 U9.2
Net-(U9-VCCR): C49.1 U9.30
Net-(U9-VCOM): C50.2 U9.32
Net-(U9-XTI): C46.2 R47.1 U9.12 X3.1
Net-(U9-XTO): C47.1 R47.2 U9.13 X3.3
Net-(U10-EN): SJ9.1 U10.E4
Net-(U10-FB): R49.1 R50.2 U10.B4
Net-(U10-SS/TR): C60.2 U10.D4
Net-(U11-EN): SJ8.1 U11.E4
Net-(U11-FB): R52.1 R53.2 U11.B4
Net-(U11-SS/TR): C63.2 U11.D4